# KiCad board ddr5-testboard.kicad_pcb (continued)
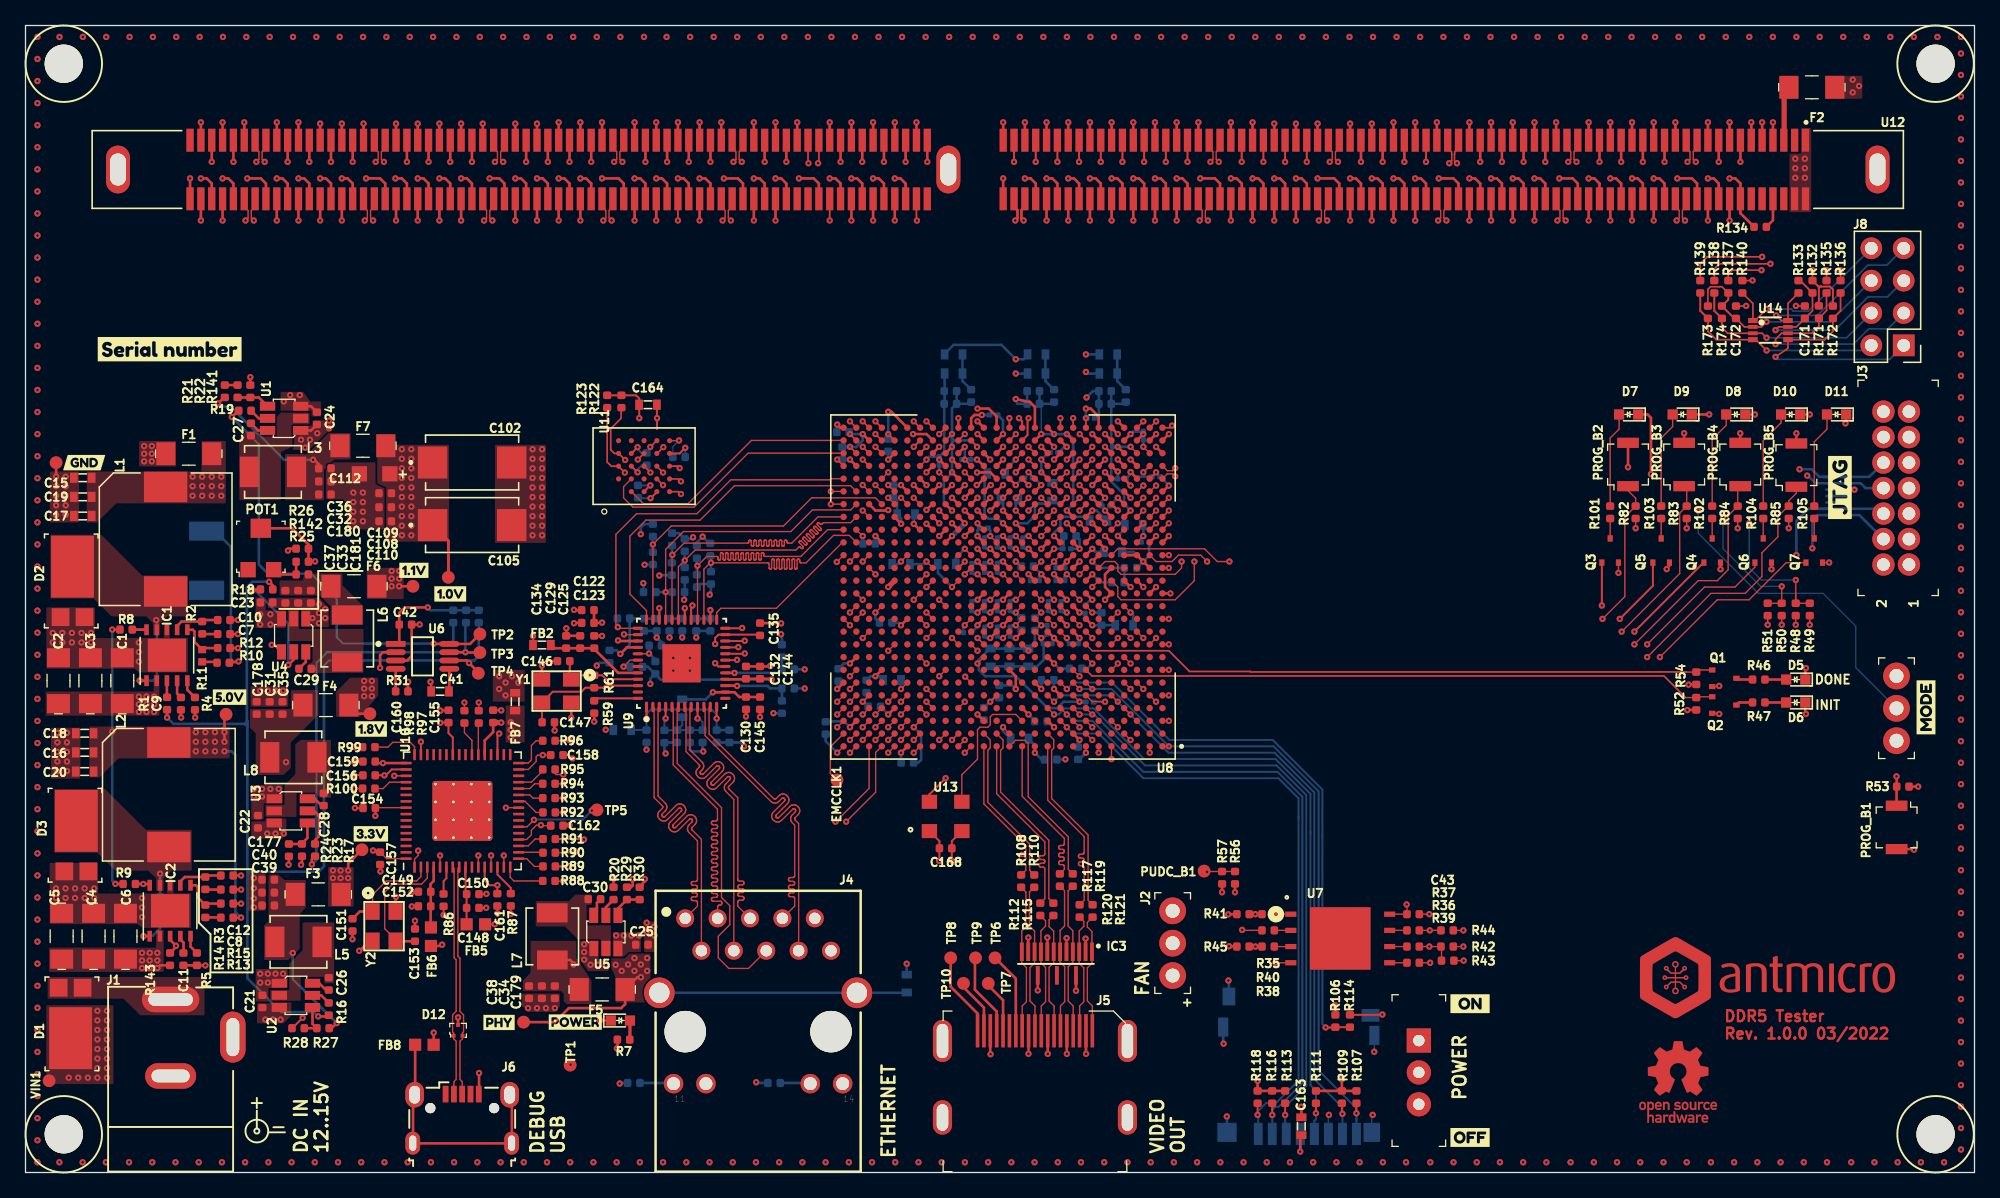
[diagram p0: board, top side]
## Routing (per net, layer and track width the routed paths; a pad name or vN(x,y) marks a point on that pad's centre or on a via; arc(x,y) is an arc through that point) (continued)
Net-(C29-Pad2): length 1.5
  Top w0.2: C29.2 21.97,40.06 U4.6
Net-(C30-Pad2): length 1.5
  Top w0.2: U5.6 44.55,20.55 44.8,20.8 44.8,21.17 C30.2
Net-(C41-Pad2): length 1.8
  Top w0.2: U6.5 33.23,37.78 C41.2
Net-(C146-Pad1): length 6.3
  Top w0.15: C146.1 42.67,38.79 Y1.1 ; 43.35,39.01 R61.1 45.22,39.01 45.52,38.7 U9.45
Net-(C147-Pad1): length 9.6
  Top w0.15: C147.1 40.49,35.34 Y1.3 41.34,37.73 43.59,37.73 43.9,38.04 R61.2 45.29,38.04 45.45,38.2 U9.46
Net-(C148-Pad1): length 5.2
  Top w0.1: 34.44,23.97 34.44,23.26
  Top w0.15: FB5.2 C148.1 C150.1 34.5,21.92 34.5,23.9
Net-(C149-Pad1): length 4.5
  Top w0.2: 32,23.9 32,22.88 31.75,22.62 31.75,22.05 C149.1 C152.1 31.76,20.88 31.76,19.5
Net-(C151-Pad1): length 8.2
  Top w0.1: Y2.1 27.21,21.8 28.29,22.88 30.66,22.88 31,23.22 31,23.9
  Top w0.2: C151.1 26.2,20.48 Y2.1
Net-(C153-Pad1): length 10.3
  Top w0.1: 31.5,23.9 31.5,23.09 31.04,22.63 28.79,22.63 28.16,22 28.16,19.13 29.01,18.28 Y2.3
  Top w0.2: Y2.3 29.05,18.14 C153.1
Net-(D5-Pad2): length 1.7
  Top w0.2: D5.2 R46.1
Net-(D6-Pad2): length 1.7
  Top w0.2: R47.1 D6.2
Net-(D7-Pad2): length 7.3
  Top w0.1: R101.1 124.24,57.63 124.94,58.33 124.94,59.28
Net-(D8-Pad2): length 7.5
  Top w0.1: R102.1 132.24,57.53 133.34,58.63 133.34,59.38
Net-(D9-Pad2): length 7.4
  Top w0.1: 129.14,59.28 129.14,58.53 128.24,57.63 R103.1
Net-(D10-Pad2): length 7.8
  Top w0.1: R104.1 136.24,57.43 137.64,58.83 D10.2
Net-(D11-Pad2): length 7.6
  Top w0.1: R105.1 140.24,57.33 141.24,58.33 D11.2
Net-(FB4-Pad1): length 19.4
  Bottom w0.2: 69.06,14.1 J4.Z1 J4.Z2
Net-(FB8-Pad2): length 19.4
  Top w0.2: 37.98,6.62 38.13,6.47 38.13,2.82 ; FB8.2 30.55,6.64 30.38,6.47 30.38,2.29 38.1,2.29 J6.6
Net-(FB9-Pad1): length 3
  Bottom w0.2: FB9.1 73.46,62.1 R125.1 R124.2
Net-(FB10-Pad1): length 3
  Bottom w0.2: R128.2 R129.1 79.96,62.1 FB10.1
Net-(FB11-Pad1): length 3
  Bottom w0.2: R159.2 R160.1 85.59,62.1 FB11.1
Net-(IC1-Pad3): length 1.3
  Top w0.2: R1.1 11.09,37.3 IC1.3
Net-(IC1-Pad5): length 1.6
  Top w0.2: R4.2 12.69,37.87 IC1.5
Net-(IC1-Pad6): length 3.5
  Top w0.2: IC1.6 13.11,42.59 13.25,42.45 13.25,41.64 13.85,41.03 13.97,41.15 R12.1
Net-(IC1-Pad10): length 2.1
  Top w0.2: 8.47,42.59 IC1.10 8.38,42.59 R8.2
Net-(IC2-Pad5): length 1.5
  Top w0.2: R5.2 12.94,17.72 IC2.5
Net-(IC2-Pad6): length 3.5
  Top w0.2: R15.1 14.22,21.1 R14.2 13.5,21.58 13.5,22.4 13.36,22.54 IC2.6
Net-(J4-Pad11): length 2.7
  Bottom w0.2: R58.1 50.75,7.03 J4.11
Net-(J4-Pad13): length 2.4
  Bottom w0.2: R60.1 61.47,7.03 J4.13
Net-(J5-Pad13): length 6.4
  Top w0.2: J5.13 77.64,15.21 TP6.1
Net-(J5-Pad15): length 4.3
  Top w0.2: J5.15 76.64,13.53 75.33,14.84
Net-(J5-Pad16): length 6.5
  Top w0.2: 74.26,16.84 74.43,16.66 74.43,14.34 76.14,12.63 J5.16
Net-(J5-Pad18): length 4.4
  Top w0.2: TP10.1 73.53,14.54 75.14,12.93 J5.18
Net-(J5-Pad19): length 6.6
  Top w0.2: J5.19 74.64,12.47 72.53,14.58 TP8.1
Net-(J7-Pad9): length 3.6
  Top w0.15: v1(106.38,12.39) 106.35,12.37 R114.2
  Bottom w0.15: 105.32,12.33 105.38,12.39 v1(106.38,12.39)
Net-(POT1-Pad2): length 16.8
  Top w0.2: U4.4 19.53,41.4 v1(19.3,41.4) ; v1(22.7,47.95) 22.68,47.92 R142.2 R26.1 22.19,49.27 20.91,50.55 POT1.2
  In5.Cu w0.2: v1(19.3,41.4) 19.3,41.43 17.8,42.93 17.8,43.87 21.88,47.95 v1(22.7,47.95)
Net-(POT1-Pad3): length 2.9
  Top w0.2: 21.22,47.92 21.22,46.92 19.83,46.92 POT1.3
Net-(PWR1-Pad2): length 1.5
  Top w0.25: PWR1.2 47.39,10.44 R7.1
Net-(Q1-Pad3): length 1.3
  Top w0.2: R46.2 134.24,38.68 Q1.3
Net-(Q2-Pad3): length 1.3
  Top w0.2: R47.2 134.34,36.88 Q2.3
Net-(Q3-Pad3): length 1.6
  Top w0.1: 124.24,49.8 124.24,51.37
Net-(Q4-Pad3): length 1.5
  Top w0.1: 132.24,49.81 R102.2
Net-(Q5-Pad3): length 1.5
  Top w0.1: 128.24,49.81 R103.2
Net-(Q6-Pad3): length 1.6
  Top w0.1: Q6.3 R104.2
Net-(Q7-Pad3): length 1.6
  Top w0.1: Q7.3 R105.2
Net-(R10-Pad2): length 1.2
  Top w0.2: 15.06,40.05 15.05,40.06 13.85,40.06
Net-(R13-Pad2): length 1.2
  Top w0.2: R14.1 15.3,20.02 R13.2
Net-(R16-Pad1): length 1.5
  Top w0.2: U2.5 23.19,13.9 R16.1
Net-(R17-Pad1): length 3.4
  Top w0.2: U3.5 22.62,28.38 23,28 23,26.38 22.7,26.08 R17.1
Net-(R18-Pad1): length 9
  Top w0.2: R18.1 17.85,45.75 v1(17.8,45.7) ; U4.5 21.03,40.25 v1(20.6,39.83)
  Bottom w0.2: v1(17.8,45.7) 17.97,45.7 20.6,43.07 v1(20.6,39.83)
Net-(R19-Pad1): length 1.5
  Top w0.2: R19.1 18.28,59.17 U1.5
Net-(R20-Pad1): length 1.5
  Top w0.2: U5.5 45.5,20.81 R20.1
Net-(R21-Pad2): length 1
  Top w0.2: R21.2 R22.1
Net-(R23-Pad2): length 2.8
  Top w0.2: U3.4 22.1,26.25 21.68,25.83 R23.2 21.66,25.78 R24.1
Net-(R27-Pad2): length 2.7
  Top w0.2: R28.1 R27.2 22.5,11.67 U2.4
Net-(R29-Pad2): length 2.5
  Top w0.2: U5.4 46.45,20.72 R29.2 R30.1
Net-(R31-Pad1): length 1.8
  Top w0.2: R31.1 29.01,39.52 U6.4
Net-(R35-Pad1): length 1.3
  Top w0.1: R35.1 U7.1
Net-(R36-Pad1): length 1.4
  Top w0.1: U7.6 R36.1
Net-(R37-Pad1): length 1.4
  Top w0.1: U7.7 R37.1
Net-(R38-Pad1): length 1.3
  Top w0.1: R38.1 U7.3
Net-(R39-Pad1): length 1.4
  Top w0.1: R39.1 U7.5
Net-(R40-Pad1): length 1.3
  Top w0.1: R40.1 U7.2
Net-(R59-Pad2): length 3.2
  Top w0.15: U9.48 44.78,37.2
Net-(R86-Pad2): length 2.2
  Top w0.15: R86.2 32.78,22.87 33,23.09 U10.6
Net-(R87-Pad2): length 2.4
  Top w0.15: 37,23.9 37,23.38 38.05,22.33 R87.2
Net-(R88-Pad1): length 3.5
  Top w0.1: R88.1 38.29,22.88 38,23.16 U10.16
Net-(R89-Pad1): length 2.2
  Top w0.1: 38.6,24.63 39.29,24.63 39.9,24.02 R89.1
Net-(R90-Pad1): length 2
  Top w0.1: R90.1 40.54,25.13 38.6,25.13
Net-(R91-Pad1): length 2.2
  Top w0.1: 38.6,25.63 39.41,25.63 39.95,26.17 R91.1
Net-(R92-Pad1): length 2.3
  Top w0.1: R92.1 40.04,28.25 39.16,29.13 38.6,29.13
Net-(R93-Pad1): length 2.1
  Top w0.1: R93.1 39.79,29.38 39.54,29.63 38.6,29.63
Net-(R94-Pad1): length 2.1
  Top w0.1: 38.6,30.13 39.54,30.13 39.91,30.5 R94.1
Net-(R95-Pad1): length 2.4
  Top w0.1: R95.1 40.55,31.52 39.66,30.63 38.6,30.63
Net-(R96-Pad1): length 3.9
  Top w0.1: 38.6,32.13 39.41,32.13 39.66,32.38 39.66,33.5 40.04,33.88 R96.1
  Top w0.11: U10.32 39.22,32.12
Net-(R97-Pad1): length 2.5
  Top w0.1: U10.38 35.5,35.23 R97.1
Net-(R98-Pad1): length 2.7
  Top w0.1: R98.1 34.41,34.5 35,33.91 U10.39
Net-(R99-Pad1): length 4
  Top w0.1: U10.48 30.5,33.41 30.16,33.75 28.79,33.75 28.41,33.38 R99.1
Net-(R100-Pad1): length 2.6
  Top w0.1: 29.77,30.63 28.54,30.63 28.04,30.13 R100.1
Net-(R134-Pad2): length 2.4
  Top w0.2: U12.148 137,74.72 R134.2
Net-(R141-Pad1): length 2.6
  Top w0.2: R22.2 R141.1 18.28,60.81 U1.4
Net-(TP5-Pad1): length 6.7
  Top w0.1: v1(39.86,27.67) 39.32,27.12 U10.22 ; v1(44.4,28.4) 44.45,28.45 TP5.1
  Bottom w0.15: v1(44.4,28.4) 43.7,27.7 39.89,27.7 v1(39.86,27.67)
unconnected-(D4-Pad11): length 1.2
  Bottom w0.2: D4.11 D4.11
unconnected-(D4-Pad12): length 1.2
  Bottom w0.2: D4.12 D4.12

## Copper pours and planes (outline as drawn; the poured copper is in the pictures)
1V0_SYS on Top: 33.2,49.5 28.28,49.5 28.28,53.78 27.57,54.08 27.57,57.1 33.2,57.1
1V0_SYS on In8.Cu_VIN_5VINT_1V8_1V0: 152.84,33.69 22.64,33.69 22.64,55.69 0.14,55.69 0.14,90.04 152.84,90.04
1V1_SYS on Top: 29.65,45 26.75,45 26.75,47.45 29.65,47.45
1V1_SYS on In3.Cu_3V3_1V1_1V8FT: 139.8,71.6 139.8,68 117,45 84.1,45 84.1,48.24 81.29,48.24 81.29,50.31 80.01,50.31 80.01,49.56 79.26,49.56 79.26,50.31 73.99,50.31 74.02,41.35 74.05,33.25 70.15,33.25 70.14,39.4 65.14,39.4 65.14,42.4 70.14,42.4 70.14,44.4 63.14,44.4 63.14,48.3 64.1,48.3 64.1,46.3 70.14,46.3 70.14,53.65 68.2,55.6 68.2,59.2 66.9,60.5 44.24,60.5 44.24,45.75 27.5,45.75 27.5,90 139.83,89.99
1V2_SYS on Top: 48.99,13.34 46.26,13.34 46.26,15.3 45.93,16.03 45.93,16.8 46.97,16.8 47.35,17.17 48.99,17.17
1V2_SYS on In10.Cu_GND_1V2: 57.89,22.44 49.39,22.44 49.39,13.69 38.64,13.69 38.64,26.84 51.39,26.84 51.34,41.19 38.64,41.19 38.64,43.69 50.89,43.69 50.89,44.94 57.89,44.94
1V8_FT on Top: 39.14,33.74 37.64,33.74 37.64,36.64 39.14,36.64
1V8_FT on In3.Cu_3V3_1V1_1V8FT: 38.44,22.34 26.74,22.24 26.74,26.74 29.14,26.74 29.14,31.64 27.94,31.64 27.94,33.44 36.14,33.44 36.14,36.74 38.34,36.74
1V8_SYS on Top: 25.45,38.83 27.65,38.83 27.65,37.42 26.2,35.75 24.35,35.75 24.35,37.72
1V8_SYS on Top: 39.14,39.44 39.14,36.94 36.64,36.94 36.64,39.44
1V8_SYS on In8.Cu_VIN_5VINT_1V8_1V0: 66,40 66,45.64 71,45.64 71.9,46.54 77.9,46.54 77.94,50.44 79.34,50.44 79.34,49.3 80.8,49.3 82.1,48 82.1,45.44 81.14,45.44 81.14,42.44 77.14,42.44 77.14,45.24 74.14,45.24 73.2,44.3 70.5,44.3 70.3,44 70.3,33.6 70.2,33.6 22.65,33.5 22.65,40
3V3_SYS on Top: 144,84.25 141.1,84.25 141.1,86.05 144,86.05
3V3_SYS on Top: 25.72,23.96 25.72,20.85 23.72,20.85 23.72,23.96
3V3_SYS on In3.Cu_3V3_1V1_1V8FT: 152.89,-0.01 -0.01,-0.01 -0.01,89.99 152.89,89.99
GND on Top: 49.5,17.3 48.5,17.3 48.5,19.7 49.5,19.7
GND on Top: 44.93,16.72 45.72,16.72 45.72,15.8 44.1,15.8 43.45,16.8 43.45,18.17 44.93,18.17
GND on Top: 41.9,13.05 41.45,12.6 39.4,12.6 38.9,13.1 38.9,14.05 41.9,14.05
GND on Top: 18.83,20.55 17.45,20.55 17.44,23.47 18.83,23.47
GND on Top: 20.55,14.47 19.05,14.47 19.05,13.42 18.05,13.42 18.05,15.97 20.55,15.97
GND on Top: 20.17,28.97 18.67,28.97 18.67,27.7 17.7,27.7 17.7,30.4 20.17,30.39
GND on Top: 20.6,36.55 17.65,36.55 17.65,38.15 20.6,38.15
GND on Top: 23.03,45.1 23.77,44.3 23.78,42.8 21.61,42.8 21.6,44.3 19,44.3 19,45.1
GND on Top: 24.05,58.23 22.35,56.7 20.97,56.7 20.95,58.63 22.5,58.62 22.5,59.03 24.05,59.03
GND on Top: 40.8,49.4 36.8,49.4 36.8,57.1 40.8,57.1
GND on Top: 28.17,50.47 25.19,50.47 25.19,52.5 24.88,52.83 23.55,52.83 23.55,55.72 28.18,55.72
GND on Top: 4.2,51 1.9,51 1.9,55 4.2,55
GND on Top: 4.3,30.9 2,30.9 2,34.9 4.3,34.9
GND on Top: 5.69,21.89 11.1,21.9 11.1,23 11.6,23 11.6,21.9 12.99,21.9 12.99,19.19 9.19,19.19 8.79,19.49 1.89,19.49 1.89,24.29 5.69,24.29
GND on Top: 5.44,41.94 10.85,41.95 10.85,43.05 11.3,43.05 11.3,41.95 12.74,41.95 12.74,39.24 8.94,39.24 8.54,39.54 1.64,39.54 1.64,44.34 5.44,44.34
GND on In1.Cu_GND: 152.89,-0.01 -0.01,-0.01 -0.01,89.99 152.89,89.99
GND on In4.Cu_GND: 152.89,89.99 152.89,-0.01 -0.01,-0.01 -0.01,89.99
GND on In6.Cu_GND: 152.89,89.99 152.89,-0.01 -0.01,-0.01 -0.01,89.99
GND on In10.Cu_GND_1V2: 152.89,89.99 152.89,-0.01 -0.01,-0.01 -0.01,89.99
VCC1V0 on Top: 25.5,55.95 24.2,55.95 23.4,55.15 23.4,52.75 20.35,52.75 20.35,56.38 22.1,56.38 23.75,58.03 25.5,58.03
VCC1V1 on Top: 24.85,46.08 26.47,44.45 26.47,42.95 23.93,42.95 23.93,44.42 23.06,45.28 19.92,45.28 19.91,46.45 21.72,46.45 21.88,47 24.85,47
VCC1V2 on Top: 44.37,15.04 44.36,13.21 42.41,13.21 42.2,13.42 42.2,14.03 42,14.22 39,14.22 39,15.08 39.6,15.67 39.6,18.17 43.18,18.17 43.18,16.86
VCC1V8 on Top: 22.95,35.9 20.8,33.75 20.8,31.75 20.25,31.2 18.05,31.2 18.05,34.45 17.6,34.9 17.6,36.38 20.8,36.38 20.8,37.85 22.95,37.85
VCC3V3 on Top: 20.32,22.95 21.99,22.95 21.98,20.83 21.49,20.26 21.49,17.56 20.6,16.67 18.7,16.67 18.7,19.39 19.05,19.72 19.05,23.38 19.83,23.38
VCC5V0_INT on Top: 48.25,17.3 47.3,17.3 46.9,16.95 46.05,16.95 46.05,18.85 48.25,18.85
VCC5V0_INT on Top: 20.85,12.33 20.22,11.7 18.15,11.7 18.15,13.28 19.2,13.28 19.2,13.35 20.85,13.35
VCC5V0_INT on Top: 20.45,26.55 20.1,26.2 17.7,26.2 17.7,27.55 18.8,27.55 18.8,27.78 20.45,27.78
VCC5V0_INT on Top: 18.83,44.1 20.38,44.1 20.38,42.72 18.03,42.72 18.03,45.12 18.83,45.12
VCC5V0_INT on Top: 21.78,61.25 22.32,60.5 23.18,60.5 23.18,59.33 22.43,59.33 22.43,59.78 20,59.78 20,61.25
VCC5V0_INT on Top: 16,32.5 7.3,32.5 5.8,31 5,31 5,35 16,35
VCC5V0_INT on In8.Cu_VIN_5VINT_1V8_1V0: 152.5,0.04 11.5,0 11.5,54.7 16.63,54.7 17.47,55.54 17.47,61.36 22.39,61.35 22.4,33 152.5,33.5
VCC12V0 on Top: 15.7,52.5 7.1,52.5 5.6,51 4.8,51 4.8,55 13.8,55 13.8,57.4 15.7,57.4
VCC12V0 on Bottom: 15.7,49.5 12.7,49.5 12.7,55 15.7,55
VIN on Top: 10.5,35.84 1.59,35.84 1.59,37.74 10.05,37.74 10.06,39.05 10.5,39.05
VIN on Top: 10.84,15.74 1.84,15.74 1.84,17.64 10.24,17.64 10.24,19.04 10.84,19.04
VIN on Top: 6.89,6.94 1.64,6.94 1.64,13.13 6.89,13.13
VIN on Bottom: 15.8,39.4 12.2,35.8 8.6,35.85 8.6,38 10.6,38 12.6,40 12.6,46.6 15.8,46.6
VIN on In8.Cu_VIN_5VINT_1V8_1V0: 10.74,37.84 10.74,0.04 0.04,0.04 0.04,37.84
VIN_BULK on Top: 140,75.35 138.3,75.35 138.3,79.95 139.2,79.95 139.2,81.95 140,81.95
VIN_BULK on Top: 8.9,57.4 11.8,57.4 11.8,55.4 8.9,55.4
VIN_BULK on In3.Cu_3V3_1V1_1V8FT: 140,75.35 138.3,75.35 138.3,83.05 10.5,83 10.5,55 0,55 0,90 140,90
Net-(C13-Pad1) on Top: 9.14,46.84 12.74,46.84 12.74,43.64 11.1,43.64 10.55,43.1 10.55,42.15 10,42.15 10,43.1 9.45,43.64 6.74,43.64 5.34,45.04 1.94,45.04 1.94,50.04 5.94,50.04
Net-(C14-Pad1) on Top: 9.44,26.89 13.04,26.89 13.04,23.69 11.5,23.69 10.84,23.1 10.84,22.09 10.24,22.09 10.24,23.1 9.6,23.69 7.04,23.69 5.64,25.09 2.24,25.09 2.24,30.09 6.24,30.09
Net-(C26-Pad1) on Top: 24.2,14.85 23.43,14.85 23.43,15.35 21.57,15.35 21.57,13.47 19.2,13.47 19.2,14.33 20.67,14.33 20.67,16.38 21.72,17.45 21.72,19.62 24.2,19.62
Net-(C27-Pad1) on Top: 20.03,59.62 22.28,59.62 22.28,58.7 20.92,58.7 20.92,56.96 20.04,56.54 20.01,52.76 16.76,52.75 16.75,57.58 17.38,58.2 17.95,58.2 18.35,57.8 19.65,57.8 19.65,59.25
Net-(C28-Pad1) on Top: 23.95,33.95 23.95,29.4 23.05,29.4 22.8,29.8 21.25,29.8 21.25,27.9 18.8,27.9 18.8,28.85 20.3,28.85 20.3,30.4 21.15,31.25 21.15,33.6 21.6,33.95
Net-(C29-Pad1) on Top: 21.45,42.65 26.5,42.65 26.5,39.2 22.1,39.2 22.1,39.8 22.5,40.1 22.5,41.7 20.55,41.7 20.55,44.15 21.45,44.15
Net-(C30-Pad1) on Top: 44.4,21 44,21 44,19.4 45.9,19.4 45.9,17 45.1,17 45.1,18.3 43.3,18.3 42.3,19.3 40,19.3 40,21.3 42.6,21.3 43.1,21.8 44.4,21.8
Net-(D1-PadA) on Top: 7.69,13.64 1.74,13.64 1.74,15.34 14.04,15.34 14.04,12.34 8.99,12.34

## Text on the board
User.Drawings: DDR5 | Recommended PCB finish: | Gold plating (ENIG, selective) | Solder mask: matt black | Silkscreen: white | The design includes high speed signaling | Suggested prepreg material is ISOLA PR2116 | Layer | 1 | 2 | 3 | 4 | 5 | 6 | 7 | 8 | 9 | 10 | 11 | 12 | 13 | 14 | 15 | 16 | 17 | 18 | 19 | 20 | 21 | Name | Top Solder | F.Cu | Dielectric 1 | GND1 | Dielectric 2 | In2.Cu | Dielectric 3 | VCC1 | Dielectric 4 | In4.Cu | Dielectric 5 | GND2 | VCC2 | In7.Cu | Dielectric 6 | GND3 | Dielectric 7 | In9.Cu | Dielectric 8 | GND4 | Dielectric 9 | B.Cu | Bottom Solder | Material | Solder Resist | Copper | Prepreg 2116 | FR-4 | Prepreg 7630 | Thickness | 0.5 mil | 1.4 mil | 3 mil | 5 mil | 5 mm | Constant | 3.3 | 4.3 | B 14 | B 15 | B 16 | B 12 | B 13 | B 115 | B 116 | Recommended PCB stackup
Top: DDR5 Tester / Rev. 1.0.0 03/2022
F.Mask: DDR5 Tester / Rev. 1.0.0 03/2022
F.Silkscreen: + | INIT | DONE | 2 | 1 | DC IN / 12..15V | DEBUG / USB | VIDEO / OUT | ETHERNET | FAN | POWER
